# Allegro board Coral-Dev-Board-baseboard-layout-Allegro.brd (continued)
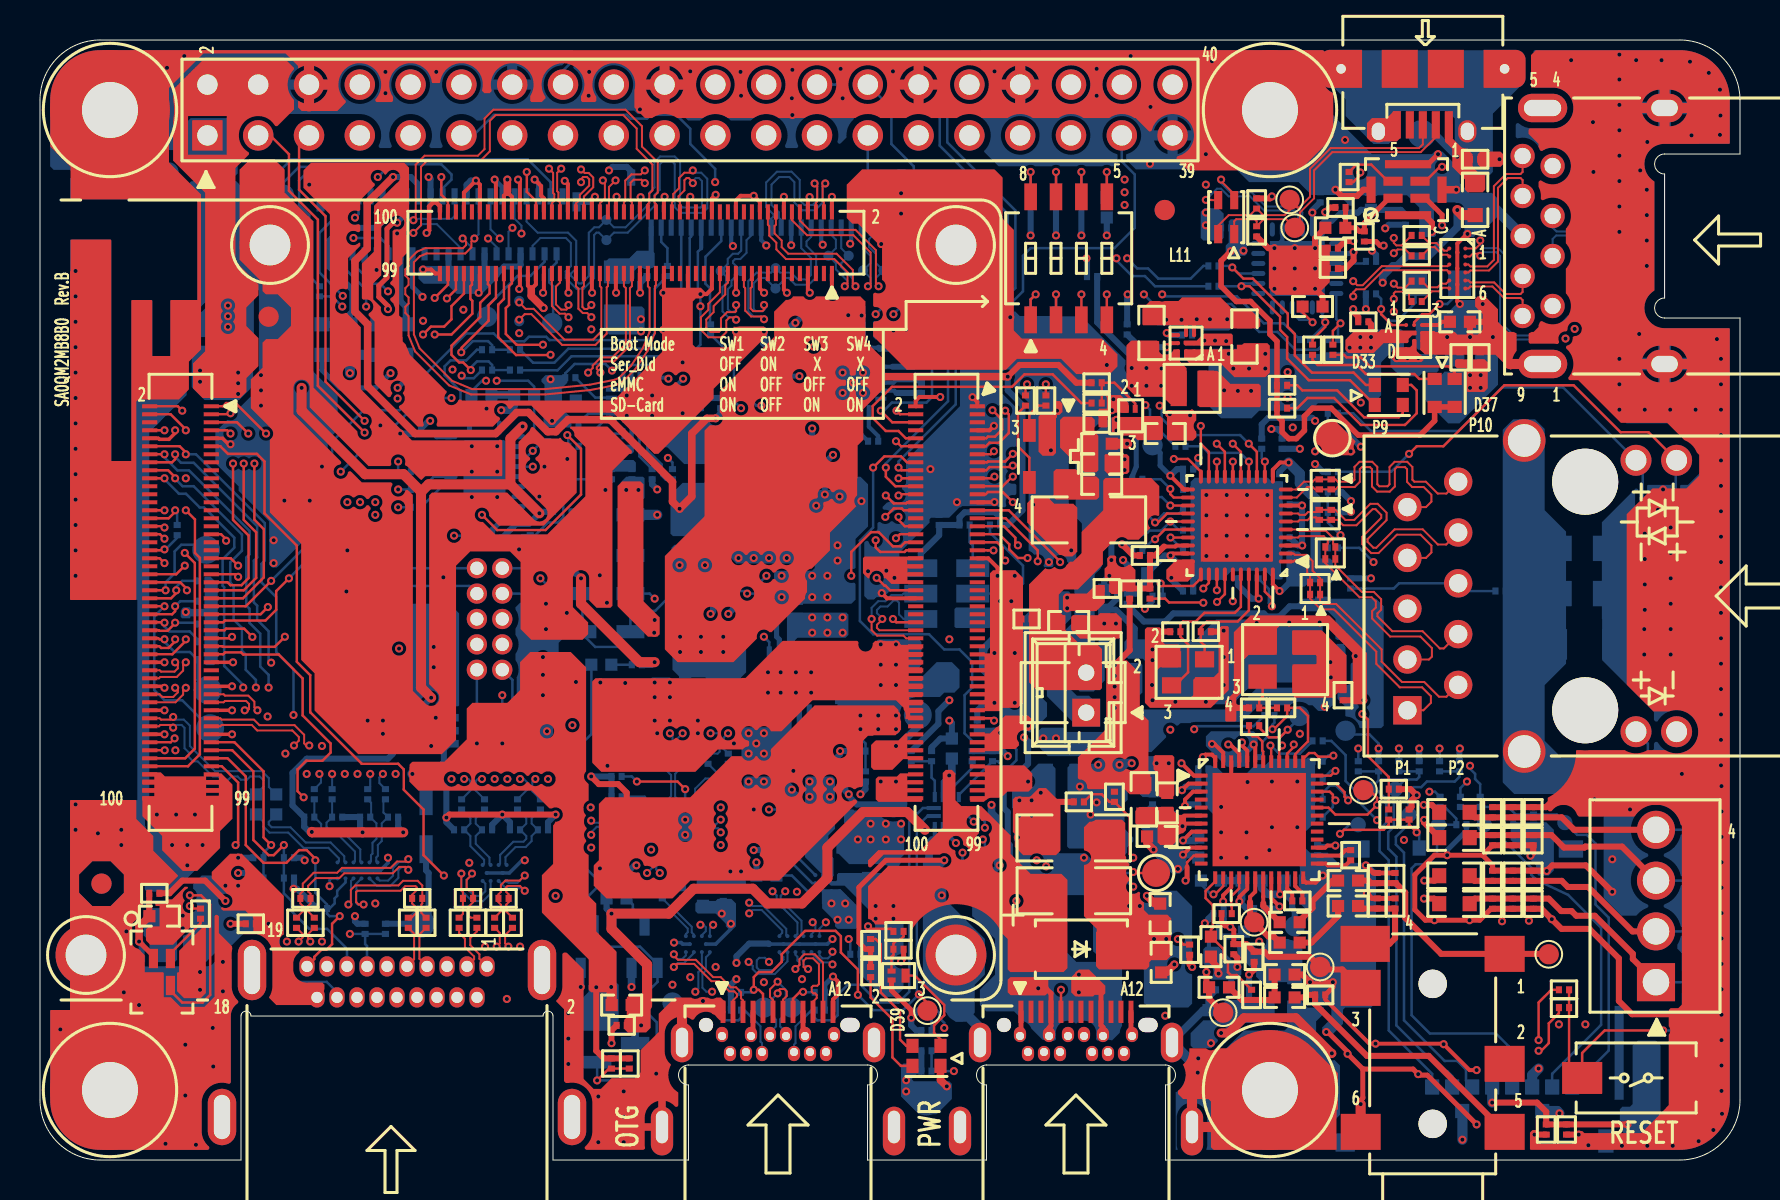
[diagram p0: board, top side]
## Routing (per net, layer and track width the routed paths; a pad name or vN(x,y) marks a point on that pad's centre or on a via; arc(x,y) is an arc through that point) (continued)
USB2_D_P: length 51.5
  TOP w0.102: J1311.63 27.2,43.69 27.12,43.62 27.12,42.65 27.22,42.55 27.36,42.55 v1(27.57,42.75) ; R29.1 68.27,45.53 67.88,45.53 v1(67.69,45.34)
  L03_SIG1 w0.102: v1(67.69,45.34) 67.88,45.53 68.11,45.53 68.35,45.77 68.35,46.66 67.59,47.42 65.49,47.42 64.95,46.88 64.95,45.84 64.19,45.08 64.19,43.41 63.53,42.75 56.12,42.75 55.84,42.47 49.77,42.47 48.32,41.02 42.37,41.02 42.09,41.3 36.71,41.3 36.43,41.02 33.91,41.02 32.26,42.67 28.32,42.67 28.14,42.49 27.82,42.49 v1(27.57,42.75)
USB2_RX_N: length 72.4
  TOP w0.102: J1311.72 25.6,47.85 25.72,47.97 25.72,48.29 25.65,48.35 25.65,49.36 v1(25.45,49.57) ; U8.C3 70.46,44.78 70.37,44.69 67.09,44.69 66.13,43.74 65.86,43.74 v1(65.66,43.94)
  L03_SIG1 w0.102: v1(25.45,49.57) 25.64,49.76 25.64,49.97 24.79,50.83 24.79,52.04 25.31,52.55 29.36,52.55 29.97,51.94 29.97,50.67 30.73,49.91 31.37,49.91 31.85,49.43 31.85,46.28 33.3,44.83 42.55,44.83 44.22,43.15 47.37,43.15 48.51,44.3 56.97,44.3 59.21,46.53 61.75,46.53 64.37,49.15 65.3,49.15 65.98,48.46 68.02,48.46 69.19,47.29 69.19,44.99 68.65,44.45 65.45,44.45 65.25,44.25 65.25,43.83 65.33,43.75 65.47,43.75 v1(65.66,43.94)
USB2_RX_P: length 72.4
  TOP w0.102: J1311.70 26,47.88 25.92,47.96 25.92,48.38 25.86,48.44 25.86,49.36 v1(26.06,49.57) ; U8.C4 70.36,44.49 67.17,44.49 66.22,43.54 65.81,43.54 65.66,43.38 v1(65.66,43.18)
  L03_SIG1 w0.102: v1(26.06,49.57) 25.87,49.75 25.87,50.07 25.02,50.92 25.02,51.94 25.4,52.32 29.27,52.32 29.74,51.85 29.74,50.58 30.64,49.68 31.27,49.68 31.62,49.33 31.62,46.18 33.2,44.6 42.45,44.6 44.13,42.93 47.47,42.93 48.61,44.07 57.07,44.07 59.3,46.3 61.85,46.3 64.47,48.92 65.2,48.92 65.89,48.23 67.93,48.23 68.96,47.2 68.96,45.09 68.55,44.68 65.35,44.68 65.02,44.35 65.02,43.74 65.24,43.52 65.56,43.52 65.66,43.42 v1(65.66,43.18)
USB2_TX_N: length 51.6
  TOP w0.102: v1(67.69,43.81) 67.89,43.62 68.26,43.62 C121.1 ; J1311.71 25.6,42.7 25.98,42.32 26.25,42.32 v1(26.42,42.14)
  L03_SIG1 w0.102: v1(67.69,43.81) 67.88,43.62 68.2,43.62 68.45,43.37 68.45,42.16 67.97,41.68 65.81,41.68 65.02,40.89 60.81,40.89 60.33,41.38 57.98,41.38 56.61,40.01 55.63,40.01 54.85,40.79 49.88,40.79 49.04,39.95 41.79,39.95 41.56,40.18 39.57,40.18 39.34,39.95 33.28,39.95 32.44,40.79 27.41,40.79 26.88,41.33 26.88,42.16 26.77,42.27 26.55,42.27 v1(26.42,42.14)
USB2_TX_P: length 51.6
  TOP w0.102: v1(67.69,43.05) 67.69,43.33 67.78,43.42 68.37,43.42 68.45,43.33 68.45,43.05 C122.1 ; v1(26.42,42.75) 26.42,42.63 26.31,42.52 26.06,42.52 25.8,42.78 25.8,43.67 26,43.87 J1311.69
  L03_SIG1 w0.102: v1(67.69,43.05) 67.59,43.15 67.59,43.28 67.7,43.4 68.1,43.4 68.22,43.28 68.22,42.26 67.88,41.91 65.72,41.91 64.93,41.12 60.91,41.12 60.43,41.61 57.89,41.61 56.52,40.23 55.73,40.23 54.94,41.02 49.78,41.02 48.95,40.18 41.88,40.18 41.66,40.41 39.47,40.41 39.24,40.18 33.38,40.18 32.54,41.02 27.51,41.02 27.1,41.43 27.1,42.26 26.87,42.49 26.58,42.49 26.42,42.65 v1(26.42,42.75)
USB2_VBUS: length 35.1
  TOP w0.203: J1311.77 24.4,43.72 24.56,43.55 24.8,43.78 J1311.75
  TOP w0.381: 24.56,43.55 24.56,43.21 25.17,42.6 v1(25.18,42.6)
  L06_SIG2 w0.102: v1(52.32,45.09) 49,45.09 47.02,43.1 40.26,43.1 39.93,42.77 38.05,42.77 36.98,41.71 36.98,41.5 36.5,41.02 33.96,41.02 32.44,42.55 29.26,42.55 27.81,41.1 26.31,41.1 25.93,41.48 25.93,42.29 25.63,42.6 v1(25.18,42.6)
  BOTTOM w0.305: R25.1 52.35,45.06 v1(52.32,45.09)
USB_D_N: length 9.9
  TOP w0.102: v1(36.88,8.33) 36.88,8.43 37,8.55 37.22,8.55 37.34,8.43 37.34,8.2 37.15,8.02 J1.A7
  L06_SIG2 w0.102: v1(39.62,9.78) 39.45,9.96 37.6,9.96 37.31,9.67 37.31,8.76 v1(36.88,8.33)
  BOTTOM w0.102: v1(36.88,8.33) 36.2,7.65 TP23.1 36.8,7.01 36.8,6.68 36.5,6.38 J1.B7 ; v1(39.62,9.78) 39.52,9.88 39.04,9.88 38.57,10.34 U16.A5
USB_D_P: length 10
  TOP w0.102: J1.A6 36.65,8 36.5,8.15 36.5,8.53 v1(36.88,8.92)
  L06_SIG2 w0.102: v1(36.88,8.92) 37.08,9.12 37.08,9.76 37.51,10.19 39.52,10.19 39.62,10.29 v1(39.62,10.41)
  BOTTOM w0.102: v1(36.88,8.92) 37.29,8.51 37.29,7.92 TP24.1 37.01,7.04 37.01,6.68 37.3,6.39 J1.B6 ; v1(39.62,10.41) 39.62,10.31 39.4,10.08 39.12,10.08 38.97,10.23 U16.A6
USB_DBG_D_CN_N: length 15
  TOP w0.102: J10.2 69.79,51.15 69.04,50.39 64.62,50.39 63.7,49.48 63.7,48.08 62.99,47.37 62.99,46.86 TP31.1 62.31,47.04 61.19,47.04 ESD15.2 60.83,46.94 60.73,47.04 59.81,47.04 59.71,46.94 L11.1
USB_DBG_D_CN_P: length 15
  TOP w0.102: J10.3 69.14,50.78 68.95,50.6 64.53,50.6 63.5,49.56 63.5,48.17 62.96,47.62 62.87,47.62 TP32.1 62.48,47.5 62.23,47.24 61.16,47.24 ESD22.2 60.5,47.24 59.44,47.24 58.91,46.72 L11.4
USB_DBG_D_N: length 7
  TOP w0.102: L11.2 59.71,48.29 59.06,48.95 v1(59.06,49.02)
  BOTTOM w0.102: U19.4 63.12,47.38 62.82,47.68 61.29,47.68 60.58,48.39 59.51,48.39 59.06,48.84 v1(59.06,49.02)
USB_DBG_D_P: length 6.9
  TOP w0.102: v1(58.29,48.01) 58.57,48.01 58.59,47.99 L11.3
  BOTTOM w0.102: v1(58.29,48.01) 58.85,48.56 59.05,48.56 59.43,48.18 60.49,48.18 61.21,47.47 62.74,47.47 62.91,47.3 62.91,47.11 62.62,46.82 U19.3
USB_HOST_D_CM_N: length 1.7
  TOP w0.102: R28.2 69.47,45.85 69.82,45.85 70.21,45.47 70.35,45.47 70.46,45.58 U8.C1
USB_HOST_D_CM_P: length 1.8
  TOP w0.102: U8.C2 70.46,45.18 70.37,45.26 70.12,45.26 69.74,45.64 69.52,45.64 R29.2
USB_HOST_D_N: length 21.5
  TOP w0.102: U8.A1 71.79,45.58 72.01,45.8 v1(72.01,45.97)
  BOTTOM w0.102: v1(72.01,45.97) 72.01,45.75 72.16,45.59 72.9,45.59 73.2,45.29 73.2,41.71 73.69,41.22 75.46,41.22 76.4,42.16 78.49,42.16 79.05,42.72 79.05,43.98 78.94,44.09 78.77,44.09 TP50.1 77.85,43.94 77.7,44.09 77.03,44.09 76.63,44.49 76.63,46.02 76.42,46.23 75.81,46.23 75.63,46.05 J3.2
USB_HOST_D_P: length 21.5
  TOP w0.102: v1(72.01,45.21) 71.91,45.31 71.64,45.31 71.5,45.18 U8.A2
  BOTTOM w0.102: J3.3 75.63,46.62 75.82,46.43 76.51,46.43 76.84,46.1 76.84,44.58 77.11,44.3 77.72,44.3 77.85,44.42 TP51.1 78.77,44.3 79.02,44.3 79.25,44.07 79.25,42.64 78.57,41.96 76.49,41.96 75.55,41.02 73.61,41.02 73,41.63 73,45.2 72.81,45.39 72.19,45.39 v1(72.01,45.21)
USB_HOST_RX_N: length 7.8
  TOP w0.102: J3.5 74.13,49.4 74.03,49.3 73.3,49.3 72.7,48.69 72.7,45.01 72.36,44.68 71.52,44.68 71.42,44.78 U8.A3
USB_HOST_RX_P: length 7.8
  TOP w0.102: U8.A4 71.42,44.38 71.52,44.48 72.45,44.48 72.9,44.92 72.9,48.61 73.39,49.1 74.03,49.1 74.13,49 J3.6
USB_HOST_TX_CM_N: length 1.6
  TOP w0.102: C121.2 69.39,43.64 69.88,43.64 70.05,43.81 70.3,43.81 U8.C5
USB_HOST_TX_CM_P: length 1.7
  TOP w0.102: U8.C6 70.43,43.61 70.14,43.61 69.96,43.43 69.6,43.43 C122.2
USB_HOST_TX_N: length 4
  TOP w0.102: J3.8 74.13,43.4 74.03,43.3 73.28,43.3 72.71,43.88 71.52,43.88 71.42,43.98 U8.A5
USB_HOST_TX_P: length 4
  TOP w0.102: U8.A6 71.42,43.58 71.52,43.68 72.62,43.68 73.2,43.1 74.03,43.1 74.13,43 J3.9
USB_TYPEC_SEL: length 24.4
  TOP w0.127: v1(29.85,18.92) 31.88,18.92 v1(32.26,18.54)
  L06_SIG2 w0.102: v1(32.26,18.54) 34.09,18.54 35,17.63 35,17.22 35.71,16.51 37.36,16.51 38.83,15.04 44.35,15.04 44.93,15.62 45.47,15.62 45.72,15.37 v1(46.13,15.37)
  BOTTOM w0.127: R6.2 29.59,19.18 v1(29.85,18.92) ; U5.16 v1(32.26,18.54) ; v1(46.13,15.37) 46.13,14.25 R144.1 45.72,14.35 45.72,15.24 45.14,15.82 U9.11
USB_VBUS_1: length 4.6
  TOP w0.254: J1.B9 35.65,6.3 J1.A4 ; J1.A9 38.15,6.3 J1.B4
  BOTTOM w0.203: U9.4 45.14,18.91 v1(45.46,19.23)
  BOTTOM w0.381: v1(45.46,19.23) 45.59,19.36 C17.1
  vias: v1(41.78,12.7) v1(41.78,12.06) v1(42.67,12.7) v1(42.67,12.06)
USB_VBUS_2:
  vias: v1(71.5,39.24) v1(71.5,38.61) v1(72.03,39.24) v1(72.03,38.61) v1(76.28,41.07) v1(76.73,41.55)
USB_VIN: length 5.3
  TOP w0.254: v1(49.91,8.59) 50.3,8.59 50.55,8.33 J2.A4 50.55,6.7 50.45,6.6 J2.B9 ; J2.B4 53.15,6.63 53.05,6.73 J2.A9 53.05,8.51
  vias: v1(38.48,18.92) v1(38.48,18.16) v1(39.5,18.92) v1(39.5,18.16) v1(48.9,8.64) v1(51.94,9.27) v1(51.94,8.38)
VON_N5P5: length 32.5
  L06_SIG2 w0.305: v1(17.53,39.34) 18.52,39.34 20.58,37.29 21.36,37.29 22.18,38.1 23.39,38.1 24.84,36.65 25.2,36.65 25.38,36.47 25.83,36.47 26.1,36.74 26.78,36.74 27.1,36.42 31.95,36.42 33.99,38.46 37.24,38.46 v1(37.97,39.19)
  BOTTOM w0.203: U1.4 38.59,39.26 38.13,39.73 R37.1
  BOTTOM w0.254: R37.1 37.03,39.73 C106.1 37.17,39.19 v1(37.97,39.19) ; R152.1 14.1,39.5 14.99,38.61 16.79,38.61 v1(17.53,39.34)
VON_N5P5_CONN: length 10.7
  BOTTOM w0.305: R152.2 R148.1 15.49,42.29 15.62,42.42 15.62,43.51 14.48,44.65 14.48,45.97 15.11,46.61 16.81,46.61 17.73,47.52 P3.29
VOP_5P5: length 31.9
  L06_SIG2 w0.305: v1(39.65,35.26) 39.65,36.27 38.84,37.08 37.59,37.08 37.44,36.93 34.31,36.93 32.97,35.59 25.37,35.59 24.99,35.97 24.16,35.97 23.34,36.78 20.37,36.78 18.54,38.61 v1(17.88,38.61)
  BOTTOM w0.203: 40.64,36.83 U1.18
  BOTTOM w0.254: R153.1 18.29,39.01 v1(17.88,38.61)
  BOTTOM w0.305: v1(39.65,35.26) 39.24,34.85 C67.1 39.57,34.42 39.97,34.82 C103.1 40.44,35.33 40.51,35.41 R34.1 40.64,36.07 40.64,36.83
VOP_5P5_CONN: length 5
  BOTTOM w0.305: P3.28 18.03,42.93 18.29,42.67 R153.2 R149.1
VSD_3V3: length 77.9
  TOP w0.305: v1(79.38,1.78) ESD14.2 C75.1 75.31,2.41 74.85,2.87 v1(72.61,2.87)
  TOP w0.457: v1(64.59,5.33) 64.57,5.33 62.79,7.11 60.2,7.11 59.44,6.35 v1(59.06,6.35)
  TOP w0.508: 30.35,7.72 30.35,9.78 28.58,11.56 v1(28.58,12.32) 31.44,12.32 32.68,13.56 35.64,13.56 36.37,12.83 38.1,12.83 39.37,14.1 39.37,15.62 41.15,17.4 43.36,17.4 v1(44.25,16.51)
  L03_SIG1 w0.508: v1(79.38,1.78) 77.29,3.86 73.81,3.86 72.49,5.18 66.57,5.18 65.74,6.02 65.05,6.02 64.59,5.56 v1(64.59,5.33) ; v1(44.25,16.51) 46.05,16.51 46.51,16.05 46.51,15.82 46.89,15.44 48.28,15.44 55.31,8.41 55.98,8.41 57.89,6.5 58.9,6.5 v1(59.06,6.35)
  BOTTOM w0.305: v1(28.58,12.32) 28.33,12.56 R145.2
  BOTTOM w0.381: Q21.3 29.76,6.43 v1(30.06,6.73)
  BOTTOM w0.508: J8.4 v1(72.61,2.87)
VSYS:
  vias: v1(54.46,12.7) v1(54.99,12.7) v1(55.7,11.05) v1(56.31,11.05)
VUSB_REG_3V45: length 4.8
  BOTTOM w0.254: C89.1 65.02,47.37 64.59,46.94 64.21,46.94 64.12,46.84 U19.6
  BOTTOM w0.305: C89.1 65.91,47.37 66.04,47.51 C88.1 68.04,47.51 R73.1

## Copper pours and planes (outline as drawn; the poured copper is in the pictures)
AGND on BOTTOM (solid shape): 59.69,9.91 59.94,9.91 60.07,9.78 60.07,9.27 59.82,9.02 58.55,9.02 58.49,9.07 58.53,9.11 58.65,9.53 58.28,9.75 58.2,9.78 58.17,9.85 58.17,10.54 58.29,10.67 58.93,10.67
AGND on BOTTOM (solid shape): 63.5,15.37 64.39,15.37 64.9,14.86 66.42,14.86 66.8,14.48 66.8,7.87 66.55,7.62 65.25,7.62 65.15,7.52 65.15,6.81 64.57,6.22 64.24,6.22 64.11,6.35 64.11,6.63 64.57,7.09 64.57,7.7 64.39,7.87 63.88,7.87 63.37,8.38 63.37,11.36 63.45,11.68 63.37,12.01 63.37,12.45 62.99,12.83 62.99,14.73 62.74,14.99 62.74,15.49 62.87,15.62 63.25,15.62
AGND on BOTTOM (solid shape): 55.88,17.65 56.52,17.65 56.74,17.42 56.74,17.12 56.64,17.02 56.13,17.02 56.01,16.89 56.01,16.38 56.26,16.13 56.62,16.13 56.74,16 56.74,15.95 56.8,15.89 56.9,15.72 57.06,15.63 57.33,15.37 57.33,14.66 57.25,14.6 57.19,14.52 57,14.33 56.59,14.33 55.46,15.46 55.46,16.17 54.86,16.76 54.86,17.4 55.12,17.65 55.37,17.65 55.5,17.78 55.75,17.78
AGND on L02_GND1 (solid shape): outline of 730 points within 54.76,0.51 76.07,17.66
AGND on L03_SIG1 (solid shape): outline of 383 points within 55.4,7.62 66.78,17.22
AGND on L04_GND2 (solid shape): outline of 478 points within 54.76,7.59 66.8,17.66
AGND on L05_PWR1 (solid shape): outline of 478 points within 54.76,7.59 66.8,17.66
AGND on L07_GND3 (solid shape): outline of 478 points within 54.76,7.59 66.8,17.66
DVDD_RG on TOP (solid shape): 53.71,30.23 53.79,30.19 53.81,30.1 53.97,29.69 54.4,29.74 54.47,29.77 54.54,29.74 54.77,29.51 54.77,28.58 54.63,28.44 54.21,28.44 54.19,28.42 54.1,28.42 54.1,28.33 54.06,28.3 53.58,28.3 53.46,28.42 53.46,28.85 53.44,28.87 53.44,28.96 53.4,28.96 53.23,29.12 53.23,29.57 53.37,29.71 53.37,30.09 53.5,30.23
GND on TOP (solid shape): 61.65,33.48 61.65,30 61.57,29.92 58.14,29.92 58.06,30 58.06,33.5 58.09,33.53 61.6,33.53
GND on TOP (solid shape): 63.25,19.05 63.25,14.86 63.12,14.73 58.8,14.73 58.67,14.86 58.67,19.18 58.8,19.3 62.99,19.3
GND on TOP (solid shape): 64.49,45.59 64.49,43.89 63.86,43.26 61.79,43.26 61.44,43.6 61.44,45.59 61.57,45.72 64.36,45.72
GND on TOP (solid shape): 56.72,20.14 56.72,18.24 56.62,18.14 56.01,18.14 55.82,18.33 55.82,18.88 55.8,18.9 55.8,19.41 55.68,19.53 55.68,20.17 55.75,20.24 56.62,20.24
GND on TOP (solid shape): 8.24,11.71 8.28,11.69 8.29,11.66 8.29,8.34 8.04,8.09 7.2,8.09 6.85,8.44 6.85,9.34 6.87,9.37 6.9,9.39 6.95,9.39 6.95,10.46 8.2,11.71
GND on TOP (solid shape): 50.42,33.14 50.45,33.13 50.47,33.09 50.47,33.06 50.72,32.82 51.66,32.82 51.86,32.62 51.86,30.42 51.63,30.18 51.22,30.18 51.11,30.23 51,30.25 50.97,30.26 49.36,31.87 49.36,32.84 49.66,33.14
GND on TOP (solid shape): 51.13,37.82 51.13,37.4 51.1,37.37 51.08,37.37 50.97,37.25 50.85,37.25 50.85,37.13 50.8,37.08 50.8,35.35 50.66,35.21 50.14,35.21 49.93,35.42 49.93,37.17 50.11,37.36 50.67,37.36 50.67,37.9 50.69,37.93 50.72,37.95 51,37.95
GND on TOP (solid shape): 59.66,42.51 60.53,42.51 61.02,42.02 61.02,41.69 60.91,41.58 58.22,41.58 58.06,41.73 55.17,41.73 55.12,41.78 55.12,42.57 55.5,42.95 55.97,42.95 55.98,42.95 56.11,42.93 56.23,42.95 56.24,42.95 56.92,42.95 57.1,43.13 59.04,43.13
GND on TOP (solid shape): 51.02,17.88 51.02,15.46 50.8,15.24 50.08,15.24 49.84,15.34 49.59,15.24 49.16,15.24 48.74,15.66 48.74,16.31 48.64,16.4 48.64,18.03 48.77,18.16 49.5,18.16 49.94,18.6 50.3,18.6
GND on TOP (solid shape): 66.35,25.35 66.35,22.96 66.17,22.78 65.71,22.78 65.63,22.86 65.63,25.35 64.25,26.73 62.01,26.73 61.85,26.57 61.85,25.4 61.72,25.27 60.45,25.27 60.07,24.89 60.07,23.37 59.82,23.11 59.82,21.97 59.77,21.92 59.31,21.92 59.26,21.97 59.26,22.94 59.69,23.37 59.69,26.39 60.53,27.23 64.47,27.23
GND on TOP (solid shape): 59.44,26.64 59.44,23.5 58.55,22.61 55.5,22.61 55.25,22.86 55.25,26.53 55.35,26.64 55.97,26.64 56.08,26.53 56.08,25.96 56.26,25.78 56.9,25.78 57.02,25.65 57.02,24.77 56.9,24.64 56.01,24.64 55.75,24.38 55.75,23.19 55.88,23.06 57.48,23.06 57.66,23.24 57.66,24 57.79,24.13 58.67,24.13 58.93,24.38 58.93,26.04 58.98,26.09 58.98,26.62 59.06,26.7 59.39,26.7
GND on TOP (solid shape): 57.82,37.34 57.82,37.01 57.81,36.99 57.8,36.97 57.68,36.7 57.8,36.44 57.81,36.42 57.82,36.4 57.82,36.14 57.65,35.97 56.43,35.97 56.35,36.05 56.35,37.15 56.26,37.23 56.26,37.4 56.35,37.49 57.54,37.49 57.56,37.53 57.59,37.54 57.61,37.54
GND on TOP (solid shape): 72.9,42.55 72.9,41.91 73.41,41.4 73.68,41.4 73.76,41.36 73.83,41.34 73.83,40.45 73.62,40.04 73.62,39.58 73.56,39.52 73.51,39.52 72.77,40.26 69.72,40.26 69.71,40.27 69.25,40.27 69.01,40.51 69.01,41.4 69.06,41.45 69.72,41.45 69.77,41.4 70.74,41.4 70.87,41.27 71.88,41.27 72.14,41.53 72.14,42.29 71.76,42.67 71.76,43.05 71.88,43.18 72.26,43.18
GND on TOP (solid shape): 65.76,35.96 65.78,35.92 65.77,35.89 65.68,35.66 65.76,35.44 65.78,35.4 65.76,35.37 65.63,35.23 64.32,35.23 64.11,35.44 64.11,35.46 64.03,35.66 63.84,35.78 63.81,35.8 63.8,35.83 63.8,36.5 64.24,36.93 64.79,36.93
GND on TOP (solid shape): 58.3,5.59 58.55,5.49 58.8,5.59 63.65,5.59 64.9,4.34 64.9,2.51 64.83,2.51 64.83,0.51 58.67,0.51 58.55,0.64 58.55,2.92 58.42,3.05 57.15,3.05 56.9,3.3 56.9,3.46 57.27,4.07 57.14,4.77 57.38,5.07 57.46,5.44 57.46,5.59
GND on TOP (solid shape): 49.15,29.11 49.15,22.86 48.9,22.61 48.16,22.61 47.99,22.44 46.51,22.44 46.51,22.58 47.16,22.58 47.21,22.58 47.23,22.6 47.23,22.78 47.22,22.79 46.51,22.79 46.51,22.98 47.21,22.98 47.23,23 47.23,23.17 47.22,23.19 46.51,23.19 46.51,23.38 47.22,23.38 47.23,23.4 47.23,23.57 47.22,23.59 46.51,23.59 46.51,23.77 47.21,23.77 47.22,23.79 47.22,23.98 47.22,23.98 46.51,23.98 46.51,24.17 47.21,24.17 47.23,24.19 47.23,24.38 47.22,24.39 46.51,24.39 46.51,24.58 47.22,24.58 47.23,24.59 47.23,24.78 47.22,24.79 46.51,24.79 46.51,24.98 47.21,24.98 47.22,24.99 47.22,25.18 47.22,25.19 46.51,25.19 46.51,25.33 47.5,25.33 47.5,29.34 47.65,29.49 48.77,29.49
GND on TOP (solid shape): 44.09,30.02 44.07,29.99 43.38,29.99 43.36,29.97 43.36,29.81 43.39,29.78 44.08,29.78 44.09,29.76 44.09,29.59 44.08,29.58 43.38,29.58 43.37,29.58 43.37,29.4 43.39,29.38 44.08,29.38 44.09,29.36 44.09,29.2 44.08,29.19 43.38,29.19 43.37,29.18 43.37,28.99 43.39,28.98 44.08,28.98 44.09,28.96 44.09,28.85 44.04,28.8 42.57,28.8 42.29,29.08 42.19,29.08 42.19,29.13 41.83,29.46 41.48,29.13 41.48,29.08 41.4,29.08 41.15,29.34 41.15,30.1 41.22,30.18 44.09,30.18
GND on TOP (solid shape): 54.43,37.85 54.43,37.41 54.41,37.37 54.38,37.36 54.1,37.36 54.08,37.36 54.06,37.37 54.03,37.4 53.74,37.4 53.68,37.36 53.64,37.35 53.61,37.34 53.45,37.26 53.38,37.09 53.38,36.68 53.36,36.64 53.33,36.63 52.99,36.63 52.95,36.64 52.93,36.68 52.93,37.21 52.83,37.21 52.77,37.27 52.77,37.41 52.78,37.45 52.82,37.46 52.93,37.46 52.93,37.52 52.95,37.55 52.99,37.57 53.34,37.57 53.34,38.13 53.33,38.13 53.3,38.16 53.3,38.19 53.32,38.23 53.35,38.25 54.03,38.25
GND on TOP (solid shape): 7.35,13.66 7.39,13.65 7.4,13.61 7.4,13.6 7.38,13.57 7.37,13.57 7.15,13.32 7.22,13 7.24,12.97 7.22,12.93 7.18,12.53 7.53,12.35 7.61,12.32 7.65,12.25 7.65,11.76 6.64,10.76 5.51,10.76 5.31,10.96 5.3,11.02 5.3,11.53 5.45,11.68 5.98,11.68 5.98,12.7 5.82,12.7 5.78,12.72 5.77,12.75 5.77,12.9 5.78,12.94 5.82,12.95 6.33,12.95 6.33,12.98 6.34,13.01 6.38,13.03 6.6,13.03 7.24,13.66
GND on TOP (solid shape): outline of 131 points within 40.34,39.3 53.87,49.53
GND on TOP (solid shape): outline of 191 points within 0.51,0.51 9.91,18
GND on TOP (solid shape): 27.18,9.53 27.18,4.06 27.69,3.56 28.04,3.56 28.58,4.09 29.74,4.09 30.02,4.37 30.02,5.49 30.94,6.4 30.94,7.32 31.75,8.13 32.55,8.13 32.77,8.06 32.98,8.13 33.39,8.13 33.6,8.06 33.82,8.13 34.04,8.13 34.27,7.89 34.27,7.01 34.25,6.99 33.98,6.99 33.85,7.12 33.85,7.12 33.27,7.41 32.72,7.07 32.66,7.02 32.57,7.03 31.69,7.07 31.24,6.31 31.24,5.44 31.31,5.09 31.53,4.79 31.55,4.77 31.54,4.73 31.45,3.99 31.89,3.39 31.91,3.38 31.92,3.35 31.92,2.76 31.85,2.66 30.79,2.91 30.24,2.11 30.24,0.79 30.24,0.71 30.25,0.63 30.23,0.54 30.15,0.51 27.34,0.51 27.24,0.57 27.27,0.69 27.53,1.03 27.62,1.45 27.62,2.85 27.25,3.63 26.42,3.85 26.29,3.85 26.2,3.94 26.2,7.54 25.81,7.93 25.81,7.97 25.82,7.99 26.04,8.31 26.12,8.7 26.12,10.3 26.19,10.37 26.33,10.37
GND on TOP (solid shape): outline of 328 points within 27.61,19.41 44.12,25.96
GND on TOP (solid shape): outline of 820 points within 74.43,0.51 84.49,55.49
GND on TOP (solid shape): outline of 1506 points within 0.51,28 64.67,55.49
GND on TOP (solid shape): outline of 1618 points within 9.98,20.29 36.35,50.04
GND on BOTTOM (solid shape): 23.27,35.92 23.27,32.92 23.22,32.87 21.26,32.87 21.18,32.94 21.18,35.97 21.21,35.99 23.19,35.99
GND on BOTTOM (solid shape): 30.81,38.53 30.81,36.91 30.76,36.86 29.18,36.86 29.08,36.96 29.08,38.23 29.46,38.61 30.73,38.61
GND on BOTTOM (solid shape): 32.77,17.14 32.77,16.13 32.64,16 31.88,16 31.75,16.13 31.75,17.14 31.88,17.27 32.64,17.27
GND on BOTTOM (solid shape): 33.78,30.71 33.78,29.34 33.68,29.24 31.8,29.24 31.57,29.46 31.57,30.61 31.72,30.76 33.73,30.76
GND on BOTTOM (solid shape): 41.48,39.67 41.48,38.1 41.4,38.02 39.88,38.02 39.8,38.1 39.8,39.7 39.83,39.73 41.43,39.73
GND on BOTTOM (solid shape): 43.36,49.48 43.36,47.27 43.18,47.09 42.88,47.09 42.8,47.17 42.8,49.49 42.85,49.54 43.3,49.54
GND on BOTTOM (solid shape): 64.24,45.8 64.24,43.46 64.01,43.23 61.6,43.23 61.49,43.33 61.49,45.8 61.6,45.9 64.14,45.9
GND on BOTTOM (solid shape): 22.99,44.58 22.99,44.2 22.1,43.31 20.83,43.31 20.32,43.81 19.18,43.81 18.92,44.07 18.92,44.58 19.05,44.7 22.86,44.7
GND on BOTTOM (solid shape): 38.86,24.51 38.86,23.24 38.68,23.06 36.32,23.06 36.2,23.19 36.2,24.64 36.27,24.71 38.66,24.71
GND on BOTTOM (solid shape): 43.56,4.7 43.56,4.06 43.69,3.94 45.47,3.94 45.59,3.81 45.59,3.05 44.83,2.29 43.94,2.29 43.05,3.17 43.05,4.7 43.18,4.83 43.43,4.83
GND on BOTTOM (solid shape): 75.69,16.51 75.69,14.48 75.44,14.22 74.93,14.22 74.8,14.35 74.8,14.73 73.53,16 73.53,16.79 73.63,16.89 75.31,16.89
GND on BOTTOM (solid shape): 44.07,25.91 44.07,24.77 43.94,24.64 43.18,24.64 43.05,24.51 43.05,23.72 42.83,23.5 42.04,23.5 41.78,23.75 41.78,25.91 41.91,26.04 43.94,26.04
GND on BOTTOM (solid shape): 59.59,42.37 59.59,41.61 59.46,41.48 58.12,41.48 57.86,41.73 55.88,41.73 55.78,41.83 55.78,42.47 55.88,42.57 59.39,42.57
GND on BOTTOM (solid shape): 37.21,19.43 37.21,19.18 37.72,18.67 37.72,18.16 37.59,18.03 36.32,18.03 35.94,18.41 35.31,18.41 35.18,18.54 35.18,19.05 35.31,19.18 36.45,19.18 36.83,19.56 37.08,19.56
GND on BOTTOM (solid shape): 34.8,12.83 34.8,11.68 34.67,11.56 34.42,11.56 34.29,11.68 34.29,11.81 33.78,12.32 32.89,12.32 32.77,12.45 32.77,12.83 32.89,12.95 33.78,12.95 33.88,13.06 34.57,13.06
GND on BOTTOM (solid shape): 32,23.62 32.64,23.62 32.77,23.5 32.77,22.61 33.15,22.23 33.15,21.97 33.02,21.84 30.61,21.84 30.48,21.97 30.48,24 30.61,24.13 31.5,24.13
GND on BOTTOM (solid shape): 61.57,33.93 62.05,33.93 62.13,33.86 62.13,30.61 62.05,30.53 62.05,29.03 61.7,29.03 61.27,29.46 59.59,29.46 59.13,29.01 57.58,29.01 57.53,29.06 57.53,33.91 57.73,34.11 61.39,34.11
GND on BOTTOM (solid shape): 26.37,39.17 26.37,38.86 26.09,38.58 26.09,37.59 26.54,37.13 26.54,36.68 26.49,36.63 25.3,36.63 25.17,36.75 25.17,37.69 25.22,37.74 25.22,38.76 25.07,38.91 25.07,39.04 25.27,39.24 26.29,39.24
GND on BOTTOM (solid shape): 40.96,12.61 40.96,11.72 40.8,11.56 39.88,11.56 39.75,11.68 39.75,11.94 39.1,12.59 39.1,12.81 39.09,12.83 39.09,13.49 39.14,13.54 40.03,13.54
GND on BOTTOM (solid shape): 45.31,13.84 45.31,12.98 47.24,11.05 47.24,9.27 46.74,8.76 46.74,7.37 46.28,6.91 45.77,6.91 45.25,7.44 45.25,7.74 44.15,8.84 44.15,13.94 44.2,14 45.16,14
GND on BOTTOM (solid shape): 56.69,20.02 56.69,18.26 56.57,18.14 55.37,18.14 55.36,18.15 55.13,18.15 54.99,18.29 54.99,18.8 54.86,18.92 54.58,18.92 54.48,19.02 54.48,19.33 54.56,19.41 54.92,19.41 55.09,19.58 55.09,20.04 55.25,20.19 56.52,20.19
GND on BOTTOM (solid shape): 48.81,28.02 48.81,27.08 48.42,26.69 47.74,26.69 47.66,26.61 45.78,26.61 45.72,26.67 45.72,27.55 45.78,27.61 45.8,27.62 45.82,27.62 47.65,27.62 47.73,27.7 47.73,28.06 47.74,28.08 47.75,28.1 47.86,28.21 48.62,28.21
GND on BOTTOM (solid shape): 72.62,42.77 72.62,41.45 72.82,41.25 72.82,40.97 72.72,40.87 71.35,40.87 71.22,40.74 71.22,39.75 71.15,39.67 70.3,39.67 70.25,39.72 70.25,40.35 70.08,40.51 68.91,40.51 68.78,40.64 68.78,42.14 68.96,42.32 70.33,42.32 71.02,43 72.39,43
GND on BOTTOM (solid shape): 64.14,26.92 64.14,25.91 64.01,25.78 64.01,24.38 63.5,23.88 60.71,23.88 59.61,22.78 55.45,22.78 55.37,22.86 55.37,24.83 55.14,25.06 54.41,25.06 54.22,25.26 54.22,25.91 54.34,26.04 57.81,26.04 58.43,26.66 58.8,27.03 60.86,27.03 61.09,26.8 62.1,26.8 62.36,27.05 64.01,27.05
GND on BOTTOM (solid shape): 63.75,20.07 63.75,16.89 63.32,16.46 62.74,16.46 62.48,16.21 62.48,14.86 62.36,14.73 58.93,14.73 58.88,14.78 58.88,17.07 58.29,17.65 58.29,19.56 58.42,19.68 58.8,19.68 59.19,19.29 60.29,19.29 60.76,19.76 61.29,19.76 61.6,20.07 63.32,20.07 63.37,20.12 63.7,20.12
GND on BOTTOM (solid shape): 47.6,46.64 47.6,43.63 44.98,41.02 41.78,41.02 41.66,41.15 41.66,41.91 41.67,41.93 41.69,41.94 41.89,41.95 42.03,42.04 42.42,42.04 42.67,41.93 42.92,42.04 43.18,42.3 43.18,42.49 43.55,42.86 43.55,46.62 43.94,47.02 43.94,48.06 44.22,48.34 45.9,48.34
GND on BOTTOM (solid shape): 40.72,17.47 41.81,17.47 41.84,17.47 41.86,17.45 42.37,16.98 43.06,17.02 43.16,17.01 43.21,16.92 43.21,15.27 43.05,15.11 43.05,14.86 42.93,14.73 42.29,14.73 42.23,14.79 40.45,14.79 39.88,15.37 39.88,16.13 40.26,16.51 40.26,17.4 40.39,17.53 40.67,17.53
GND on BOTTOM (solid shape): 41.4,33.78 41.4,31.67 40.78,31.05 40.78,29.65 40.74,29.57 40.65,29.55 40.21,29.21 40.65,28.87 40.74,28.85 40.78,28.77 40.78,28.02 40.57,27.81 37.52,27.81 37.01,27.3 36.6,27.3 36.32,27.58 36.32,28.57 36.7,28.96 36.7,29.34 36.83,29.46 38.61,29.46 38.74,29.59 38.74,30.99 38.75,31 38.75,32.04 38.76,32.05 38.76,32.23 38.35,32.64 38.35,33.4 38.46,33.5 39.73,33.5 39.88,33.66 39.88,33.91 40.13,34.16 41.02,34.16
GND on BOTTOM (solid shape): 63.37,7.62 64.14,7.62 64.2,7.56 64.2,7.33 63.81,6.93 63.81,5.97 64.26,5.51 64.26,5.47 64.26,5.46 64.33,5.09 64.69,4.99 64.72,5 65,4.72 65,2.26 63.25,0.51 58.31,0.51 58.35,0.64 58.36,0.79 58.36,2.11 57.6,2.87 56.84,2.11 56.84,0.79 56.85,0.64 56.89,0.51 56.78,0.51 56.78,3.38 57.12,3.69 57.28,4.12 57.28,4.14 57.68,4.55 57.68,5.23 57.79,5.33 59.06,5.33 60.2,6.48 62.23,6.48 62.36,6.6 62.36,7.75 62.48,7.87 63.12,7.87
GND on BOTTOM (solid shape): outline of 91 points within 15.11,20.52 20.96,27.81
GND on BOTTOM (solid shape): outline of 127 points within 48.6,13.24 53.09,19.81
GND on BOTTOM (solid shape): outline of 196 points within 23.77,21.03 26.54,28.07
GND on BOTTOM (solid shape): outline of 757 points within 41.21,28.02 54.48,42.43
GND on BOTTOM (solid shape): outline of 866 points within 47.02,46.15 72.9,55.49